# Altium PCB CM4-Tower.PcbDoc (part 7 of 10) (continued)
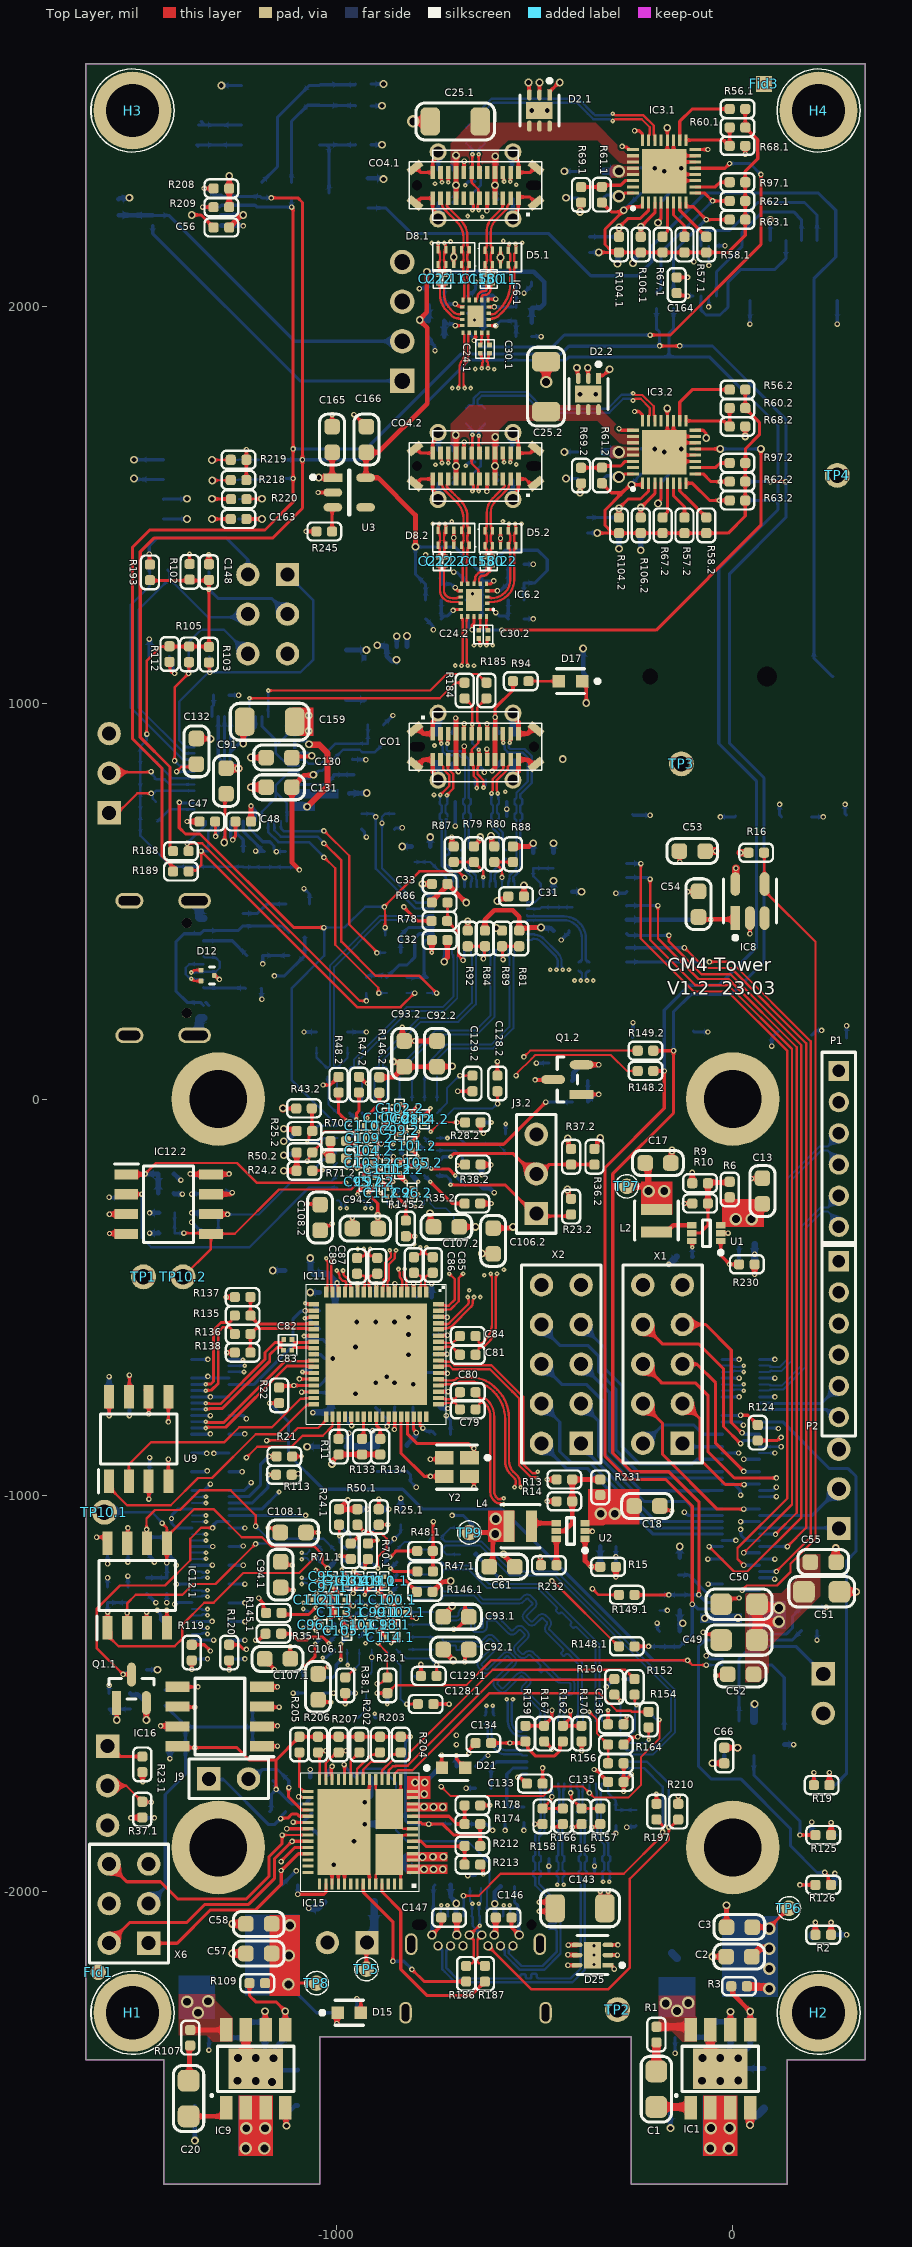
[diagram p0: Top Layer view]
## Nets (pads, with @x,y where several pads share a name; then routed paths per layer and width w, separated by ;. In a path a pad name is that pad's centre, name@x,y a point inside that pad or via, vN(x,y) a via of type N, cw(c..) or ccw(c..) an arc to the next point about the centre after c; other vN are vias at no path point) (continued)
LED_BLUE_BUF: J8.4 U8.2 | length 431
  Bottom Layer w7.87: U8.2@-80.71,2153.54 -80.71,2179.13 -66.93,2192.91 -7.87,2192.91 62.99,2263.78 181.1,2263.78 212.6,2232.28 J8.4@212.6,2168.31
LED_GREEN: J5.31 U8.3 | length 3225.2
  Layer 6 w5.91: v1(-60.28,2104.94) -58.77,2103.43 -53.2,2103.43 169.29,1880.93 169.29,-854.33 129.92,-893.7 v1(106.3,-893.7)
  Bottom Layer w5.91: U8.3@-61.02,2153.54 -60.61,2153.13 -60.61,2105.26 v1(-60.28,2104.94) ; J5.31@66.93,-893.7 v1(106.3,-893.7)
LED_GREEN_BUF: J8.3 U8.5 | length 419.5
  Bottom Layer w7.87: U8.5@-41.34,2027.56 -41.34,2088.58 23.62,2153.54 23.62,2188.98 74.8,2240.16 153.54,2240.16 173.23,2220.47 J8.3@173.23,2168.31
LED_RED: J5.45 U8.1 | length 3388.1
  Layer 6 w5.91: v1(-98.43,2114.17) -84.64,2127.95 -61.03,2127.95 181.1,1885.83 181.1,-866.14 137.8,-909.45 137.8,-976.38 v1(110.24,-1003.94)
  Bottom Layer w5.91: U8.1@-100.39,2153.54 -99.41,2152.56 -99.41,2115.16 v1(-98.43,2114.17) ; J5.45@66.93,-1003.94 v1(110.24,-1003.94)
LED_RED_BUF: J8.2 U8.7 | length 396.7
  Bottom Layer w7.87: U8.7@-80.71,2027.56 -80.71,1992.89 -67.57,1979.76 -32.17,1979.76 -12.24,1999.69 -12.24,2062.57 19.69,2094.49 106.3,2094.49 133.86,2122.05 J8.2@133.86,2168.31
MUX_SEL.1: IC3.1.13 IC6.1.16 R55.1.2 | length 1240
  Top Layer w7.87: v1(-653.12,1915.38) -653.12,1916.98 -649.61,1920.49 IC6.1.16@-649.61,1935.04 ; v1(-208.66,1929.13) -157.48,1929.13 70.87,2157.48 v1(70.87,2334.65) ; IC3.1.13@-94.49,2350.39 -19.69,2350.39 v1(-7.87,2362.2)
  Bottom Layer w7.87: R55.1.2@-661.95,1933.61 -661.95,1928.34 -654.25,1920.64 -654.25,1916.51 -636.37,1898.62 -455.71,1898.62 -425.2,1929.13 v1(-208.66,1929.13) ; v1(-7.87,2362.2) 43.31,2362.2 v1(70.87,2334.65)
MUX_SEL.2: IC3.2.13 IC6.2.16 R55.2.2 | length 1267.8
  Top Layer w7.87: v1(-658.46,1184.93) -658.46,1196.64 -653.54,1201.56 IC6.2.16@-653.54,1218.5 ; v1(-582.84,1184.15) -193.62,1184.15 70.87,1448.63 v3(70.87,1641.73) ; IC3.2.13@-94.49,1641.55 -31.68,1641.55 v3(-31.5,1641.73)
  Bottom Layer w7.87: R55.2.2@-671.01,1213.58 -667.66,1210.23 -667.66,1194.13 -657.33,1183.8 -656.6,1184.54 -583.23,1184.54 v1(-582.84,1184.15) ; v3(-31.5,1641.73) v3(70.87,1641.73)
NEEPROM_WP: J5.20 R124.2 | length 100.3
  Top Layer w7.87: v1(19.75,-798.27) 38.45,-798.29 R124.2@62.99,-822.83
  Bottom Layer w7.87: J5.20@-26.77,-799.21 18.81,-799.21 v1(19.75,-798.27)
NetB1_+: B1.+ D26.2 | length 2600.5
  Bottom Layer w7.87: D26.2@-921.26,2250 -875.98,2250 -811.02,2185.04 -464.57,2185.04 -358.27,2078.74 -240.16,2078.74 -204.72,2114.17 -204.72,2153.54 -70.87,2287.4 216.54,2287.4 259.84,2244.09 259.84,2125.98 204.72,2070.87 204.72,1113.69 251.49,1066.93 B1.+@253.15,1066.93
NetC1_1: C1.1 R1.1 | length 73.2
  Top Layer w19.68: C1.1@-193.13,-2455 -193.02,-2454.89 -193.02,-2382 R1.1@-192.91,-2381.89
NetC1_2: C1.2 IC1.1 | length 87.6
  Top Layer w19.68: C1.2@-193.13,-2545 -108.74,-2545 IC1.1@-106.5,-2547.24
NetC5_1: C5.1 IC1.4 | length 103.3
  Top Layer w19.68: v3(43.31,-2590.55) 43.31,-2547.44 IC1.4@43.5,-2547.24
  Bottom Layer w19.68: v3(43.31,-2590.55) 43.31,-2578.18 57.27,-2564.22 63.45,-2564.22 C5.1@78.74,-2548.94
NetC6_1: C6.1 IC1.6 R4.1 | length 120.1
  Top Layer w11.81: IC1.6@-6.5,-2350.39 -6.13,-2350.02 -6.13,-2305.11 v3(-5.75,-2304.74)
  Bottom Layer w11.81: R4.1@-54.25,-2329.76 C6.1@-5.5,-2329.76 ; v3(-5.75,-2304.74) -5.5,-2304.99 C6.1@-5.5,-2329.76 ; C6.1@-5.25,-2329.76 C6.1@-5.5,-2329.76
NetC7_1: C7.1 R4.2 | length 49
  Bottom Layer w11.81: C7.1@-103.25,-2369.13 R4.2@-54.25,-2369.13
NetC20_1: C20.1 R107.1 | length 90.5
  Top Layer w11.81: C20.1@-1374,-2478.66 -1372.03,-2476.69 -1372.03,-2391.77 R107.1@-1370.06,-2389.8
NetC20_2: C20.2 IC9.1 | length 110.1
  Top Layer w11.81: C20.2@-1374,-2568.66 -1289.35,-2568.66 -1279.51,-2558.81 IC9.1@-1279.51,-2547.28
NetC54_1: C54.1 CO3.4 IC8.1 | length 310.1
  Top Layer w11.81: C54.1@-86.61,459.65 -80.1,453.13 -60.38,453.13 -55.49,453.13 v1(-55.12,452.76) -54.59,452.76 -53.67,453.67 -0.15,453.67 3.14,456.96 IC8.1@6.32,456.96
  Bottom Layer w11.81: CO3.4@-267.72,452.76 v1(-55.12,452.76)
NetC63_1: C63.1 IC9.4 | length 113
  Top Layer w11.81: IC9.4@-1129.51,-2547.28 -1128.32,-2548.46 -1128.32,-2591.34 v3(-1127.14,-2592.53)
  Bottom Layer w11.81: v3(-1127.14,-2592.53) -1125.63,-2591.02 -1125.63,-2562.49 -1104.24,-2541.1 C63.1@-1098.41,-2541.1
NetC64_1: C64.1 IC9.6 R110.1 | length 122.8
  Top Layer w11.81: v3(-1181.1,-2303.15) -1180.31,-2303.95 -1180.31,-2349.63 IC9.6@-1179.51,-2350.43
  Bottom Layer w11.81: R110.1@-1228.33,-2330.74 C64.1@-1181.09,-2330.74 ; C64.1@-1181.09,-2330.74 v3@-1181.09,-2303.16
NetC65_1: C65.1 R110.2 | length 51.2
  Bottom Layer w11.81: C65.1@-1279.51,-2370.11 R110.2@-1228.33,-2370.11
NetC162_1: C162.1 D26.3 U6.8 | length 223.1
  Bottom Layer w7.87: U6.8@-1043.27,2409.25 -1026.38,2409.25 -1019.68,2402.56 D26.3@-1019.68,2287.4 ; U6.8@-1034.25,2409.35 -952.85,2409.35 C162.1@-952.76,2409.45
NetD1_2: D1.2 R2.2 | length 71
  Top Layer w11.81: R2.2@208.66,-2110.24 v1(208.66,-2078.74)
  Bottom Layer w11.81: D1.2@198.82,-2110.24 208.28,-2100.77 208.28,-2079.12 v1(208.66,-2078.74)
  Bottom Layer w19.68: D1.2@200.79,-2114.17 D1.2@200.79,-2110.24
NetD3.1_1: D3.1.1 R53.1.1 | length 78.9
  Bottom Layer w3.94: D3.1.1@-953.95,-1563.17 -947.06,-1563.17 -925.41,-1541.52 R53.1.1@-925.41,-1500.18
NetD3.2_1: D3.2.1 R53.2.1 | length 78.9
  Bottom Layer w3.94: R53.2.1@-636.66,-112.2 -595.32,-112.2 -573.67,-133.86 D3.2.1@-573.67,-140.75
NetD10_1: D10.1 J5.21 | length 1102.7
  Bottom Layer w7.87: J5.21@66.93,-814.96 125.98,-814.96 244.09,-933.07 291.34,-933.07 311.02,-952.76 311.02,-1141.73 287.4,-1165.35 287.4,-1702.76 D10.1@257.87,-1732.28
NetD10_2: D10.2 R19.1 | length 65.4
  Top Layer w7.87: R19.1@204.72,-1732.28 v1(204.72,-1700.79)
  Bottom Layer w7.87: D10.2@198.82,-1732.28 204.72,-1726.38 v1(204.72,-1700.79)
NetD11_2: D11.2 R20.2 | length 118.1
  Bottom Layer w7.87: R20.2@-1236.22,468.5 -1200.79,468.5 -1177.17,492.13 D11.2@-1127.95,492.13
NetD13_1: D13.1 R125.2 | length 67.1
  Top Layer w11.81: R125.2@248.03,-1858.27 v1(248.03,-1826.77)
  Bottom Layer w11.81: v1(248.03,-1826.77) 248.41,-1827.15 248.41,-1848.8 D13.1@257.87,-1858.27
NetD14_2: D14.2 R126.2 | length 77.3
  Top Layer w7.87: v1(169.29,-1984.25) R126.2@208.66,-1984.25 R126.2@214.59,-1990.18
  Bottom Layer w7.87: v1(169.29,-1984.25) D14.2@198.82,-1984.25
NetD15_2: D15.2 R108.2 | length 76.6
  Top Layer w7.87: v1(-949.29,-2271.77) -948.16,-2272.9 -945.61,-2272.9 -938.98,-2279.53 D15.2@-938.98,-2307.09
  Bottom Layer w7.87: v1(-949.29,-2271.77) -949.06,-2272 -949.06,-2306.85 R108.2@-948.82,-2307.09
NetD17_2: D17.2 R94.2 | length 76.8
  Top Layer w5.91: R94.2@-515.75,1055.12 D17.2@-438.98,1055.12
NetD21_2: D21.2 R172.2 | length 68.8
  Top Layer w7.87: v1(-698.03,-1657.57) -696.9,-1658.7 -696.9,-1667.27 D21.2@-675.2,-1688.98
  Bottom Layer w11.81: v1(-698.03,-1657.57) -698.03,-1658.1 -696.9,-1659.24 R172.2@-696.85,-1685.04 R172.2@-696.85,-1685.04
NetIC1_5: IC1.5 R3.2 R5.1 | length 156.3
  Top Layer w11.81: R3.2@-3.94,-2240.16 -0.17,-2243.93 -0.17,-2259.66 v3(44.03,-2303.86) 43.93,-2303.97 43.93,-2349.97 IC1.5@43.5,-2350.39
  Bottom Layer w11.81: R5.1@43.75,-2329.76 43.89,-2329.62 43.89,-2304 v3(44.03,-2303.86)
NetIC1_8: IC1.8 L1.1 R1.2 | length 108.9
  Top Layer w19.68: R1.2@-192.91,-2342.52 -112.4,-2342.52 -106.5,-2348.43 IC1.8@-106.5,-2350.39
  Bottom Layer w19.68: L1.1@-153.54,-2156.5 L1.1@-140.75,-2169.29
  other v4: -140.83,-2302.59 -169.29,-2283.46 -112.4,-2282.22
NetIC3.1_6: IC3.1.6 R57.1.2 | length 98
  Top Layer w7.87: IC3.1.6@-149.61,2263.78 -149.61,2232.28 -122.05,2204.72 R57.1.2@-122.05,2177.17
NetIC3.1_7: IC3.1.7 R58.1.2 | length 114.3
  Top Layer w7.87: IC3.1.7@-133.86,2263.78 -133.86,2244.09 -114.17,2224.41 R58.1.2@-66.93,2177.17
NetIC3.1_10: IC3.1.10 R97.1.2 | length 91.5
  Top Layer w7.87: IC3.1.10@-94.49,2303.15 -43.96,2303.15 -32.15,2314.96 R97.1.2@-7.87,2314.96
NetIC3.1_18: IC3.1.18 R56.1.2 | length 186.3
  Top Layer w7.87: IC3.1.18@-133.86,2421.26 -133.86,2468.5 -102.36,2500 R56.1.2@-7.87,2500
NetIC3.2_6: IC3.2.6 R57.2.2 | length 98
  Top Layer w7.87: IC3.2.6@-149.61,1554.93 -149.61,1523.44 -122.05,1495.88 R57.2.2@-122.05,1468.32
NetIC3.2_7: IC3.2.7 R58.2.2 | length 114.3
  Top Layer w7.87: IC3.2.7@-133.86,1554.93 -133.86,1535.25 -114.17,1515.56 R58.2.2@-66.93,1468.32
NetIC3.2_10: IC3.2.10 R97.2.2 | length 91.5
  Top Layer w7.87: IC3.2.10@-94.49,1594.3 -43.96,1594.3 -32.15,1606.11 R97.2.2@-7.87,1606.11
NetIC3.2_18: IC3.2.18 R56.2.2 | length 186.3
  Top Layer w7.87: IC3.2.18@-133.86,1712.41 -133.86,1759.66 -102.36,1791.15 R56.2.2@-7.87,1791.15
NetIC7_5: IC7.5 J7.1 | length 804.5
  Bottom Layer w7.87: IC7.5@-1464.57,2205.71 -1464.57,2185.04 -1092.91,1813.39 J7.1@-834.65,1813.39
NetIC7_6: IC7.6 J7.2 R121.2 | length 847.9
  Bottom Layer w7.87: IC7.6@-1465.06,2231.79 IC7.6@-1464.57,2231.3 -1424.21,2231.3 -1106.3,1913.39 J7.2@-834.65,1913.39
  Bottom Layer w11.81: R121.2@-1550.69,2231.79 IC7.6@-1465.06,2231.79
NetIC9_5: IC9.5 R109.2 R111.1 | length 215.5
  Top Layer w7.87: R109.2@-1220.47,-2232.28 -1220.47,-2263.78 -1204.72,-2279.53 -1153.56,-2279.53 v3@-1129.71,-2303.38
  Top Layer w11.81: v3@-1129.71,-2303.38 -1129.71,-2350.23 IC9.5@-1129.51,-2350.43
  Bottom Layer w11.81: v3@-1131.41,-2301.68 v3(-1129.9,-2303.18) R111.1@-1129.9,-2330.74
NetIC9_8: IC9.8 L3.1 R107.2 | length 90.6
  Top Layer w11.81: R107.2@-1370.06,-2350.43 IC9.8@-1279.51,-2350.43
  other v4: -1350.39,-2307.09 -1377.95,-2279.53 -1324.98,-2278.25
NetIC11_18: IC11.18 R141.2 | length 66.6
  Top Layer w7.87: v2(-1079.45,-515.85) -1078.38,-515.85 -1077.24,-517 -1059.46,-517 IC11.18@-1057.88,-518.57
  Bottom Layer w7.87: v2(-1079.45,-515.85) -1078.7,-516.61 -1062.53,-516.61 -1044.64,-534.49 R141.2@-1043.31,-534.49
NetIC11_37: IC11.37 R11.1 | length 56.1
  Top Layer w7.87: R11.1@-995.3,-857.92 -995.09,-857.72 -995.09,-802.24 IC11.37@-994.89,-802.04
NetIC11_39: IC11.39 R132.1 | length 61.9
  Top Layer w7.87: IC11.39@-963.4,-802.04 -963,-802.43 -963,-823.87 v1(-962.37,-824.51)
  Bottom Layer w7.87: R132.1@-975.61,-791 -975.61,-811.26 v1(-962.37,-824.51)
NetIC11_41: IC11.41 R133.1 | length 57.7
  Top Layer w7.87: R133.1@-936.24,-857.92 -932.29,-853.98 -932.29,-802.43 IC11.41@-931.9,-802.04
NetIC11_43: IC11.43 R134.1 | length 60.1
  Top Layer w7.87: IC11.43@-900.4,-802.04 -900.01,-802.43 -900.01,-823.48 -890.17,-833.32 R134.1@-890.17,-857.92
NetIC11_50: IC11.50 R142.1 | length 69.1
  Top Layer w7.87: IC11.50@-790.17,-802.04 -790.17,-823.37 -782.83,-830.71 v1(-782.48,-830.71)
  Bottom Layer w7.87: v1(-782.48,-830.71) -781.87,-830.71 -773.46,-839.12 -759.31,-839.12 R142.1@-751.97,-846.46
NetIC12.1_3: IC12.1.3 R143.1.2 | length 69.6
  Top Layer w5.91: v1(-1480.32,-1295.28) -1480.32,-1333.74 IC12.1.3@-1478.94,-1335.12
  Bottom Layer w5.91: v1(-1480.32,-1295.28) -1480.32,-1318.9 R143.1.2@-1476.38,-1322.83
NetIC12.1_7: IC12.1.7 R27.1.1 | length 63.1
  Top Layer w7.87: IC12.1.7@-1528.94,-1121.57 -1527.56,-1120.2 v1(-1527.56,-1082.68)
  Bottom Layer w7.87: R27.1.1@-1527.56,-1106.3 v1(-1527.56,-1082.68)
NetIC12.2_3: IC12.2.3 R143.2.2 | length 69.2
  Top Layer w11.81: v1(-1574.16,-290.78) -1573.92,-290.53 -1531.61,-290.53 IC12.2.3@-1531.36,-290.29
  Bottom Layer w11.81: v1(-1574.16,-290.78) -1573.79,-290.4 -1549.76,-290.4 R143.2.2@-1548.58,-289.22
NetIC12.2_7: IC12.2.7 R27.2.1 | length 83.2
  Top Layer w11.81: IC12.2.7@-1317.82,-240.29 -1268.38,-240.29 -1264.31,-236.22 v1(-1263.78,-236.22)
  Bottom Layer w11.81: R27.2.1@-1291.21,-236.35 R27.2.1@-1291.21,-236.35 -1263.85,-236.29 v1(-1263.78,-236.22)
NetIC13_7: IC13.7 IC13.52 IC13.56 IC13.57 | length 264
  Bottom Layer w6.1: IC13.56@-1125.98,965.55 -1125.98,919.29 IC13.57@-1154.53,890.75 -1154.53,874.02 -1122.05,841.54 IC13.7@-1096.46,841.54
  Bottom Layer w7.87: IC13.52@-1188.98,965.55 -1188.98,941.93 -1154.53,907.48 IC13.57@-1154.53,890.75
NetIC13_8: IC13.8 IC13.15 IC13.19 IC13.58 | length 261.8
  Bottom Layer w6.1: IC13.19@-1188.98,701.77 -1188.98,725.39 -1154.53,759.84 IC13.58@-1154.53,775.59 ; IC13.15@-1125.98,701.77 -1125.98,747.05 IC13.58@-1154.53,775.59 ; IC13.8@-1096.46,825.79 -1120.08,825.79 -1154.53,791.34 IC13.58@-1154.53,775.59
NetIC13_11: IC13.11 IC13.12 R196.2 | length 91.4
  Bottom Layer w7.87: IC13.11@-1096.46,778.54 -1086.61,778.54 -1079.72,771.65 R196.2@-1007.87,771.65
NetIC13_50: IC13.50 R184.1 | length 605.9
  Top Layer w5.91: v2(-1220.47,1011.81) -740.16,1011.81 -700.79,1051.18 R184.1@-677.17,1051.18
  Bottom Layer w5.91: IC13.50@-1220.47,965.55 v2(-1220.47,1011.81)
NetIC13_53: IC13.53 R185.1 | length 643.5
  Top Layer w5.91: v2(-1173.23,1031.5) -763.78,1031.5 -722.12,1073.16 -644.02,1073.16 R185.1@-622.05,1051.18
  Bottom Layer w5.91: IC13.53@-1173.23,965.55 -1173.23,988.68 v2(-1173.23,1031.5)
NetIC15_50: IC15.50 R186.1 | length 432.2
  Top Layer w7.87: IC15.50@-933.07,-1982.28 -933.07,-2002.5 -858.27,-2077.3 v1(-858.27,-2177.17) ; v1(-810.14,-2197.63) -810.14,-2197.73 -779.53,-2228.35 R186.1@-673.23,-2228.35
  Bottom Layer w7.87: v1(-858.27,-2177.17) -830.61,-2177.17 v1(-810.14,-2197.63)
NetIC15_53: IC15.53 R187.1 | length 489.1
  Top Layer w7.87: IC15.53@-885.83,-1982.28 -885.83,-2001.9 -838.58,-2049.15 -838.58,-2196.85 -771.65,-2263.78 -661.42,-2263.78 R187.1@-625.98,-2228.35
NetQ1.1_1: Q1.1.1 R30.1.1 R32.1.1 | length 133
  Top Layer w7.87: v3(-1555.56,-1568.05) Q1.1.1@-1555.56,-1524.74
  Bottom Layer w7.87: v3(-1555.56,-1568.05) -1557.82,-1565.79 -1557.82,-1557.92 R30.1.1@-1575.25,-1540.49 R32.1.1@-1521.26,-1540.49
NetQ1.2_1: Q1.2.1 R30.2.1 R32.2.1 | length 133
  Top Layer w7.87: Q1.2.1@-381.89,11.81 v1@-338.61,11.8
  Bottom Layer w7.87: R32.2.1@-366.14,46.11 R30.2.1@-366.14,-7.87 -347.61,10.66 -339.73,10.66 v1(-338.6,11.79)
NetR7_1: R7.1 U9.7 | length 90.6
  Top Layer w7.87: U9.7@-1525,-751.5 -1523.62,-750.12 v1(-1523.62,-696.85)
  Bottom Layer w7.87: R7.1@-1523.62,-732.28 v1(-1523.62,-696.85)
NetR8_1: R8.1 U1.6 | length 40.9
  Top Layer w7.87: U1.6@-103.35,-358.27 -102.36,-359.25 v2(-102.36,-374.02)
  Bottom Layer w7.87: R8.1@-102.36,-397.64 v2(-102.36,-374.02)
  Bottom Layer w11.81: R8.1@-102.36,-397.64 R8.1@-101.58,-398.42
NetR125_1: R125.1 U4.4 | length 288.2
  Top Layer w7.87: v1(169.29,-1858.27) R125.1@208.66,-1858.27
  Bottom Layer w7.87: U4.4@53.15,-1657.5 53.15,-1706.69 169.29,-1822.83 v1(169.29,-1858.27)
NetR131_2: R131.2 U9.3 | length 72.8
  Top Layer w7.87: U9.3@-1475,-965.04 -1474.49,-965.55 v1(-1474.49,-1009.93)
  Bottom Layer w7.87: v1(-1474.49,-1009.93) -1473.63,-1009.08 -1473.63,-983.76 R131.2@-1472.78,-982.9
NetR232_1: R232.1 U2.6 | length 67.3
  Top Layer w11.81: U2.6@-445.87,-1110.24 -445.37,-1110.73 -445.37,-1176.67 R232.1@-444.88,-1177.17
NetR245_2: R245.2 U3.3 | length 61.8
  Top Layer w7.87: R245.2@-1011.81,1433.07 -1011.81,1492.14 U3.3@-1009.86,1494.09
NetU6_1: U6.1 Y1.1 | length 114.2
  Bottom Layer w7.87: Y1.1@-1354.13,2409.25 -1350.39,2409.25 -1350.2,2409.25 U6.1@-1240.19,2409.25 ; Y1.1@-1350.39,2405.51 Y1.1@-1350.2,2405.31
NetU6_2: U6.2 Y1.2 | length 116.3
  Bottom Layer w7.87: Y1.2@-1349.02,2459.25 U6.2@-1240.19,2459.25 ; Y1.2@-1342.52,2468.5 Y1.2@-1337.2,2463.19
NPI_LED_PWR: J5.95 U4.2 | length 215.2
  Bottom Layer w7.87: U4.2@15.75,-1570.85 15.75,-1413.39 31.5,-1397.64 J5.95@66.93,-1397.64
NRPI_BOOT: J2.1 J5.93 | length 190.1
  Bottom Layer w7.87: J5.93@66.93,-1381.89 159.06,-1381.89 J2.1@228.35,-1451.18
OTG_ID: J6.101 R17.2 R18.1 | length 1182.1
  Layer 6 w7.87: v2(-1236.96,-658.19) -1236.96,-177.9 -1157.48,-98.43 v1(-1157.48,311.02)
  Bottom Layer w7.87: J6.101@-1272.44,-657.48 -1237.67,-657.48 v2(-1236.96,-658.19) ; v1(-1157.48,311.02) -1131.99,311.02 R18.1@-1080.81,362.2 -1080.81,395.76 R17.2@-1080.81,408.51
PCIe_CLK_nREQ: IC11.30 J6.102 | length 329
  Top Layer w7.87: v1(-1094.49,-706.57) -1093.9,-707.16 -1058.28,-707.16 IC11.30@-1057.88,-707.55
  Layer 3 w7.87: v1(-1325.39,-657.48) -1310.67,-672.21 -1308.11,-672.21 -1273.75,-706.57 v1(-1094.49,-706.57)
  Bottom Layer w7.87: J6.102@-1366.14,-657.48 v1(-1325.39,-657.48)
PCIe_nRST: IC11.19 J6.109 | length 330.9
  Top Layer w7.87: v1(-1079.44,-534.55) -1079.33,-534.44 -1058,-534.44 IC11.19@-1057.88,-534.32
  Bottom Layer w7.87: J6.109@-1272.44,-720.47 -1208.66,-720.47 -1110.24,-622.05 -1110.24,-555.12 -1090.55,-535.43 -1080.32,-535.43 v1(-1079.44,-534.55)
PCIe_RX_N: C83.2 J6.118 | length 310
  Top Layer w7.09: v2(-1330.71,-783.46) -1329.8,-782.56 -1322.17,-782.56 -1321.2,-781.59 -1288.99,-781.59 -1169.29,-661.9 -1169.29,-645.07 -1151.17,-626.95 -1141.15,-626.95 -1136.99,-631.1 -1136.99,-632.18 C83.2@-1134.63,-634.54
  Bottom Layer w7.09: J6.118@-1366.14,-783.46 v2(-1330.71,-783.46)
PCIe_RX_P: C82.2 J6.116 | length 310.7
  Top Layer w7.09: v2(-1330.71,-767.72) -1329.8,-768.62 -1322.17,-768.62 -1321.2,-769.59 -1293.96,-769.59 -1181.3,-656.92 -1181.3,-640.1 -1156.14,-614.94 -1140.37,-614.94 -1136.22,-610.79 -1136.22,-609.71 C82.2@-1133.86,-607.35
  Bottom Layer w7.09: J6.116@-1366.14,-767.72 v2(-1330.71,-767.72)
PCIe_TX_N: IC11.28 J6.124 | length 373.9
  Top Layer w7.09: v2(-1330.71,-830.71) -1329.8,-829.8 -1326.46,-829.8 -1325.5,-828.84 -1280.36,-828.84 -1125.71,-674.19 -1059.75,-674.19 IC11.28@-1057.88,-676.06
  Bottom Layer w7.09: J6.124@-1366.14,-830.71 v2(-1330.71,-830.71)
PCIe_TX_P: IC11.27 J6.122 | length 373.9
  Top Layer w7.09: v2(-1330.71,-814.96) -1329.8,-815.86 -1326.46,-815.86 -1325.5,-816.83 -1285.33,-816.83 -1130.68,-662.18 -1059.75,-662.18 IC11.27@-1057.88,-660.31
  Bottom Layer w7.09: J6.122@-1366.14,-814.96 v2(-1330.71,-814.96)
PONRSTn_R: IC11.31 R22.2 R140.2 | length 193.7
  Top Layer w7.87: R22.2@-1145.67,-728.35 -1141.75,-724.43 -1109.57,-724.43 v1(-1108.44,-723.3) ; v1@-1108.24,-723.3 IC11.31@-1057.88,-723.3
  Bottom Layer w7.87: v1(-1108.44,-723.3) -1043.14,-723.3 R140.2@-1015.75,-695.91
PWR_CTRL.1: IC2.1.D1 R24.1.1 | length 71.1
  Top Layer w4.92: R24.1.1@-994.31,-1074.98 -993.87,-1075.42 -993.87,-1102.98 v2(-993.43,-1103.43)
  Bottom Layer w4.92: v2(-993.43,-1103.43) -993.43,-1119.17 IC2.1.D1@-974.62,-1137.97
PWR_CTRL.2: IC2.2.D1 R24.2.1 | length 71.9
  Top Layer w4.92: R24.2.1@-1061.86,-181.1 -1061.21,-180.46 -1036.08,-180.46 v2(-1035.43,-179.81)
  Bottom Layer w4.92: v2(-1035.43,-179.81) -1034.48,-180.76 -1018.21,-180.76 IC2.2.D1@-998.86,-161.42
RESET_STDP.1: IC2.1.G8 R28.1.2 R147.1.2 | length 182.3
  Top Layer w3.94: v1(-897.64,-1476.38) -895.75,-1474.49 -888.34,-1474.49 -874.66,-1460.81 R28.1.2@-872.26,-1460.81 -872.26,-1397.82 v2(-895.88,-1374.2)
  Bottom Layer w3.94: v1(-897.64,-1476.38) -897.17,-1475.91 -887.36,-1475.91 R147.1.2@-872.26,-1460.81 ; v2(-895.88,-1374.2) IC2.1.G8@-880.13,-1358.45
RESET_STDP.2: IC2.2.G8 R28.2.2 R147.2.2 | length 139.5
  Top Layer w3.94: v2(-762.64,-82.68) -739.02,-59.06 v1(-696.85,-59.06) R28.2.2@-676.03,-59.06
  Bottom Layer w3.94: IC2.2.G8@-778.39,-66.93 v2(-762.64,-82.68) ; v1(-696.85,-59.06) R147.2.2@-676.03,-59.06
RTC_SCL: R215.2 R217.2 U6.6 | length 331.4
  Bottom Layer w7.87: R217.2@-1114.17,2314.96 -1114.17,2468.5 -1073.43,2509.25 U6.6@-1043.27,2509.25 ; U6.6@-1042.58,2508.56 -953.44,2508.56 R215.2@-952.76,2507.87
RTC_SDA: R214.2 R216.2 U6.5 | length 412.1
  Bottom Layer w7.87: R216.2@-1188.98,2314.96 -1149.61,2354.33 -1149.61,2479.23 -1069.58,2559.25 U6.5@-1043.27,2559.25 -1041.4,2561.12 -954.63,2561.12 R214.2@-952.76,2562.99
RUN_PG: J5.92 R126.1 | length 862.7
  Top Layer w7.87: v1(232.28,-1952.76) 232.28,-1954.35 240.69,-1962.76 240.69,-1976.91 R126.1@248.03,-1984.25
  Bottom Layer w7.87: J5.92@-26.77,-1366.14 -70.87,-1366.14 -86.61,-1381.89 -86.61,-1685.04 -55.12,-1716.54 19.68,-1716.54 145.67,-1842.52 145.67,-1885.83 212.6,-1952.76 v1(232.28,-1952.76)
RX1_DFP.1_N: CO4.1.30 D5.1.4 D5.1.7 IC6.1.3 | length 416.6
  Top Layer w5.91: IC6.1.3@-616.14,1984.25 cw(c-616.14,1979.5) -612.78,1982.86 ccw(c-609.01,1986.63) -609.01,1981.3 ccw(c-609.01,1999.02) -596.49,1986.49 -588.69,1994.28 ccw(c-653.11,2058.7) -562.01,2058.7 -562.01,2094 ccw(c-567.91,2094) -563.74,2098.17 -565.47,2099.9 -565.94,2099.9 cw(c-563.57,2102.28) -566.93,2102.28 D5.1.4@-566.93,2106.3 -566.93,2111.71 -565.94,2112.7 -565.47,2112.7 -562.01,2116.16 -562.01,2125.49 -562.01,2133.84 -565.47,2137.3 -565.94,2137.3 -566.93,2138.29 D5.1.7@-566.93,2143.7 -566.93,2149.11 -565.66,2150.39 -565.66,2158.43 v2(-564.53,2159.56) ; CO4.1.30@-580.71,2339.76 -578.76,2337.81 -578.76,2317.79 v2(-577.63,2316.66)
  Layer 3 w3.94: -582.68,2267.72 -584.52,2265.87 ccw(c-550.96,2232.31) -598.43,2232.31 -598.43,2232.24 ccw(c-552.63,2232.24) -585.01,2199.86 -564.06,2178.91 cw(c-572.44,2170.53) -560.59,2170.53 -560.59,2168.41 cw(c-567.31,2168.41) -562.56,2163.66 -563.02,2163.19 ccw(c-559.38,2159.56) v2(-564.53,2159.56) ; -582.67,2267.73 ccw(c-604.37,2289.41) -573.69,2289.41 -573.69,2307.15 ccw(c-581.99,2307.15) -576.12,2313.02 cw(c-572.48,2316.66) v2(-577.63,2316.66)
RX1_DFP.1_P: CO4.1.31 D5.1.5 D5.1.6 IC6.1.2 | length 431.5
  Top Layer w5.91: IC6.1.2@-616.14,1968.5 cw(c-613.77,1966.13) -613.77,1969.49 -609.93,1969.49 ccw(c-609.93,1972.85) -607.55,1970.47 cw(c-605.17,1968.1) -605.17,1971.46 ccw(c-605.17,1989.75) -592.24,1976.81 -580.29,1988.76 ccw(c-648.19,2056.67) -552.17,2056.67 -552.17,2094 cw(c-546.26,2094) -550.44,2098.17 -548.71,2099.9 -548.23,2099.9 ccw(c-550.6,2102.28) -547.24,2102.28 D5.1.5@-547.24,2106.3 -547.24,2111.71 -548.23,2112.7 -548.71,2112.7 -552.17,2116.16 -552.17,2121.41 -552.17,2133.84 -548.71,2137.3 -548.23,2137.3 -547.24,2138.29 D5.1.6@-547.24,2143.7 -548.01,2144.47 -548.01,2158.79 v2(-548.78,2159.56) ; v2(-561.88,2316.66) -561.45,2317.09 -561.45,2339.34 CO4.1.31@-561.02,2339.76
  Layer 3 w3.94: v2(-561.88,2316.66) cw(c-567.02,2316.66) -563.39,2313.02 ccw(c-557.52,2307.15) -565.82,2307.15 -565.82,2289.33 cw(c-604.18,2289.33) -577.05,2262.21 -578.94,2260.32 ccw(c-550.9,2232.28) -590.55,2232.28 ccw(c-552.53,2232.28) -579.42,2205.4 -557.34,2183.32 ; -557.33,2183.32 cw(c-568.5,2172.16) -552.72,2172.16 -552.72,2168.41 ccw(c-546,2168.41) -550.75,2163.66 -550.29,2163.19 cw(c-553.92,2159.56) v2(-548.78,2159.56)
RX1_DFP.2_N: CO4.2.30 D5.2.4 D5.2.7 IC6.2.3 | length 432
  Top Layer w5.91: IC6.2.3@-620.08,1267.72 ccw(c-617.7,1270.09) -617.7,1266.73 -613.86,1266.73 cw(c-613.86,1263.37) -611.49,1265.75 ccw(c-609.11,1268.12) -609.11,1264.76 ccw(c-609.11,1311.95) -575.75,1278.58 -574.8,1279.53 ccw(c-605.69,1310.42) -562.01,1310.42 -562.01,1385.15 ccw(c-567.91,1385.15) -563.74,1389.32 -565.47,1391.05 -565.94,1391.05 cw(c-563.57,1393.43) -566.93,1393.43 D5.2.4@-566.93,1397.45 -566.93,1402.17 cw(c-565.25,1402.17) D5.2.4@-566.44,1403.35 ; CO4.2.30@-580.71,1630.92 -578.76,1628.96 -578.76,1608.94 v2(-577.63,1607.81) ; D5.2.4@-566.44,1403.36 -565.94,1403.85 -565.47,1403.85 ccw(c-573.82,1412.2) -562.01,1412.2 -562.01,1422.55 ccw(c-567.91,1422.55) -563.74,1426.73 -565.47,1428.45 -565.94,1428.45 cw(c-563.57,1430.83) -566.93,1430.83 D5.2.7@-566.93,1434.85 ccw(c-569.31,1437.23) -565.94,1437.23 -565.94,1450.38 cw(c-562.58,1450.38) v2(-564.96,1452.76)
  Layer 3 w3.94: v2(-577.63,1607.81) ccw(c-572.48,1607.81) -576.13,1604.18 -575.66,1603.71 cw(c-580.41,1598.96) -573.69,1598.96 -573.69,1578.44 cw(c-609.94,1578.44) -584.31,1552.81 -584.36,1552.76 ccw(c-559.9,1528.31) -594.49,1528.31 -594.49,1515.01 ccw(c-559.88,1515.01) -584.35,1490.54 -564.52,1470.71 cw(c-572.97,1462.26) -561.02,1462.26 cw(c-569.32,1462.26) -563.45,1456.39 ccw(c-559.82,1452.76) v2(-564.96,1452.76)
RX1_DFP.2_P: CO4.2.31 D5.2.5 D5.2.6 IC6.2.2 | length 446.5
  Top Layer w5.91: IC6.2.2@-620.08,1251.97 ccw(c-620.08,1256.72) -616.72,1253.36 cw(c-612.95,1249.59) -612.95,1254.92 -609.07,1254.92 ccw(c-609.07,1311.84) -568.82,1271.59 -567.75,1272.66 ccw(c-605.38,1310.29) -552.17,1310.29 -552.17,1385.15 cw(c-546.26,1385.15) -550.44,1389.32 -548.71,1391.05 -548.23,1391.05 ccw(c-550.6,1393.43) -547.24,1393.43 D5.2.5@-547.24,1397.45 -547.24,1402.17 ccw(c-548.92,1402.17) -547.73,1403.35 -548.23,1403.85 -548.71,1403.85 cw(c-540.35,1412.2) -552.17,1412.2 -552.17,1422.55 cw(c-546.26,1422.55) -550.44,1426.73 -548.71,1428.45 -548.23,1428.45 ccw(c-550.6,1430.83) -547.24,1430.83 D5.2.6@-547.24,1434.85 cw(c-544.87,1437.23) -548.23,1437.23 -548.23,1450.38 ccw(c-551.59,1450.38) v2(-549.21,1452.76) ; v2(-561.88,1607.81) -561.45,1608.24 -561.45,1630.49 CO4.2.31@-561.02,1630.92
  Layer 3 w3.94: -578.74,1547.24 ccw(c-559.73,1528.23) -586.61,1528.23 -586.61,1515.07 ccw(c-559.73,1515.07) -578.74,1496.06 -558.9,1476.22 cw(c-572.78,1462.34) -553.15,1462.34 -553.15,1462.26 ccw(c-544.85,1462.26) -550.72,1456.39 cw(c-554.36,1452.76) v2(-549.21,1452.76) ; -578.72,1547.26 ccw(c-609.88,1578.42) -565.82,1578.42 -565.82,1598.96 cw(c-559.1,1598.96) -563.85,1603.71 -563.39,1604.17 ccw(c-567.02,1607.81) v2(-561.88,1607.81)
RX1_N: CO5.30 D20.2 D20.9 IC14.39 | length 668.5
  Bottom Layer w5.91: CO5.30@-586.61,-2138.19 -586.61,-2139.68 -575.79,-2150.51 -575.79,-2160.67 -537.64,-2198.82 -476.24,-2198.82 -435.04,-2157.62 -435.04,-2035.29 -489.17,-1981.16 -489.17,-1965.57 -485.71,-1962.11 -485.24,-1962.11 -484.25,-1961.12 D20.9@-484.25,-1955.71 -484.25,-1950.3 -485.24,-1949.31 -485.71,-1949.31 -489.17,-1945.85 -489.17,-1933.42 -489.17,-1928.16 -485.71,-1924.7 -485.24,-1924.7 -484.25,-1923.72 D20.2@-484.25,-1918.31 -484.25,-1912.89 -485.24,-1911.91 -485.71,-1911.91 -489.17,-1908.45 -489.17,-1863.19 -475.39,-1849.41 -475.39,-1743.11 -472.44,-1740.16 IC14.39@-472.44,-1728.35
RX1_P: CO5.31 D20.1 D20.10 IC14.40 | length 667.2
  Bottom Layer w5.91: CO5.31@-555.12,-2138.19 -555.12,-2139.68 -565.94,-2150.51 -565.94,-2156.59 -533.56,-2188.98 -480.31,-2188.98 -444.88,-2153.54 -444.88,-2129.92 -444.88,-2101.38 ccw(c-450.79,-2101.38) -450.79,-2095.47 -461.12,-2095.47 cw(c-461.12,-2092.03) -464.57,-2092.03 -464.57,-2085.14 cw(c-461.12,-2085.14) -461.12,-2081.69 -450.79,-2081.69 ccw(c-450.79,-2075.79) -444.88,-2075.79 -444.88,-2059.06 -444.88,-2039.37 -499.02,-1985.24 -499.02,-1965.57 -502.48,-1962.11 -502.95,-1962.11 -503.94,-1961.12 D20.10@-503.94,-1955.71 -503.94,-1950.3 -502.95,-1949.31 -502.48,-1949.31 -499.02,-1945.85 -499.02,-1937.5 -499.02,-1928.16 -502.48,-1924.7 -502.95,-1924.7 -503.94,-1923.72 D20.1@-503.94,-1918.31 -503.94,-1912.89 -502.95,-1911.91 -502.48,-1911.91 -499.02,-1908.45 -499.02,-1859.11 -485.24,-1845.33 -485.24,-1743.11 -487.2,-1741.14 -487.2,-1729.33 IC14.40@-488.19,-1728.35